# Altium PCB Steezy60SMK.PcbDoc (part 1 of 3)
Units mm, origin at the board's own origin, x right, y up, seen from the top; angles counter-clockwise.
Board outline 284.73 x 94.2 mm, 2 copper layers (Component Side, Bottom Layer), stack 1.571 mm thick; 204 components, 132 nets, 1159 pads, 251 vias.
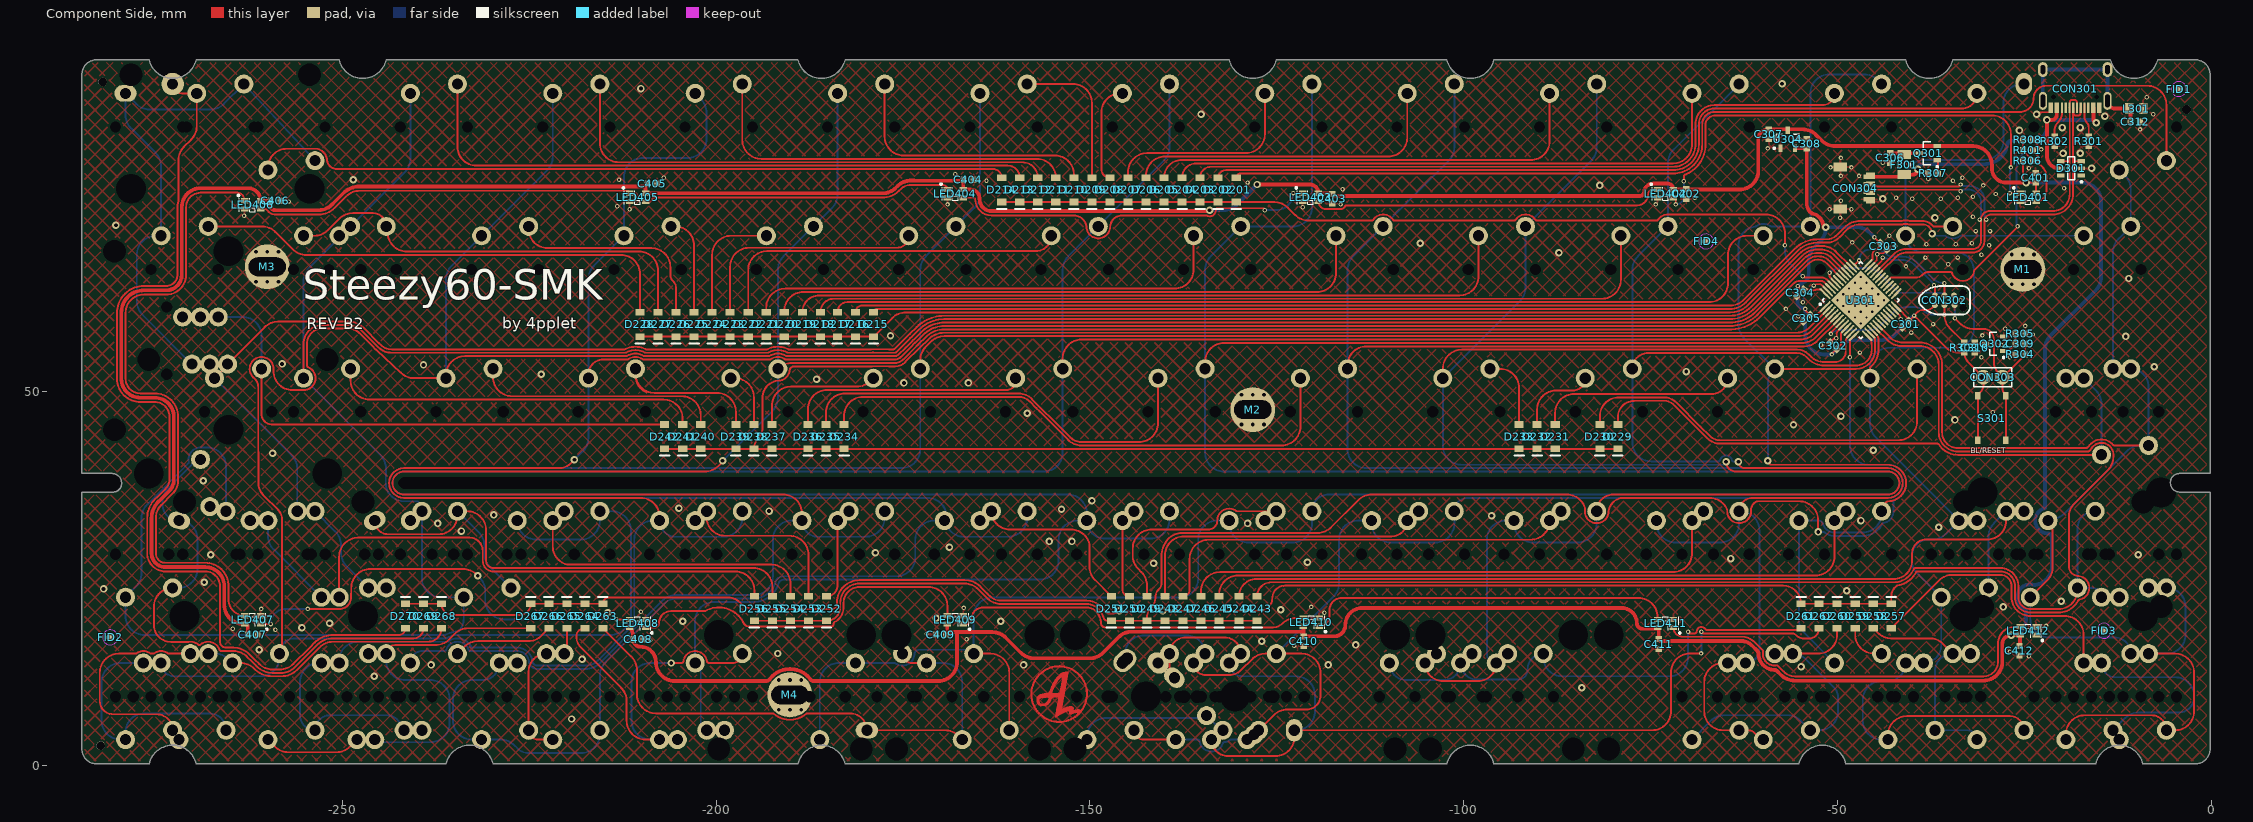
[diagram p0: Component Side view]
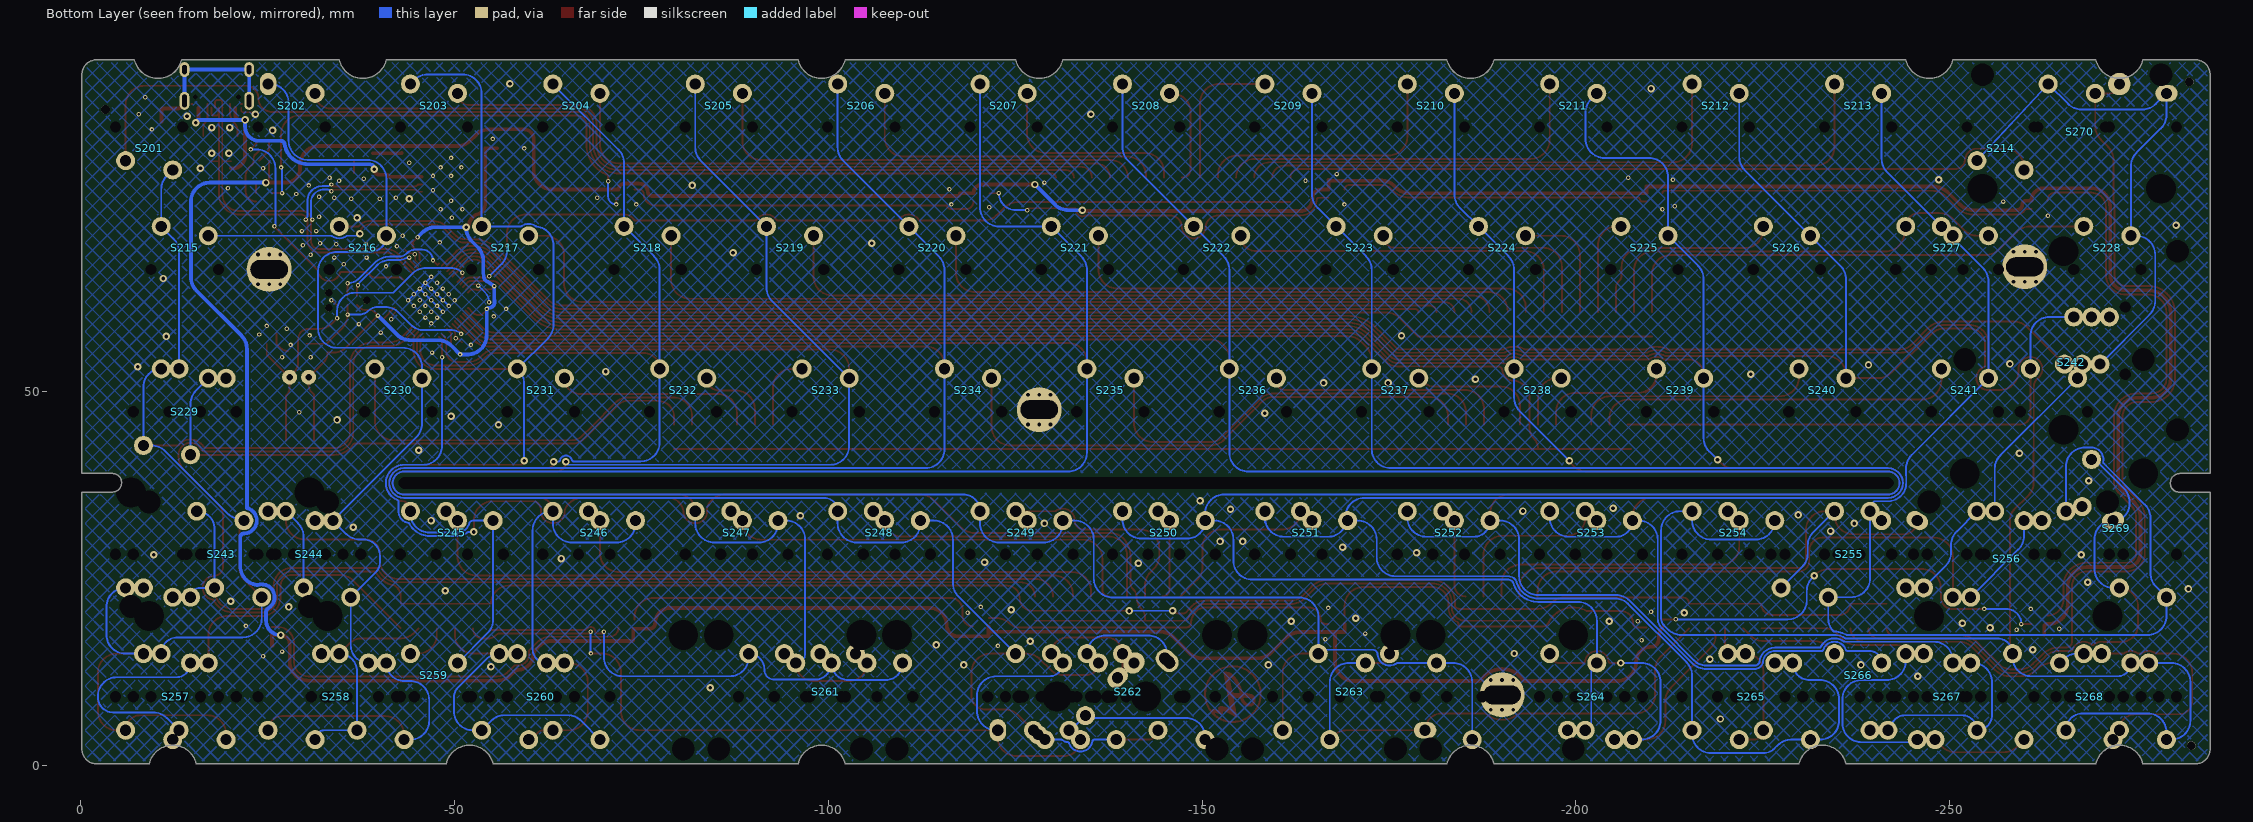
[diagram p1: Bottom Layer view, seen from below]
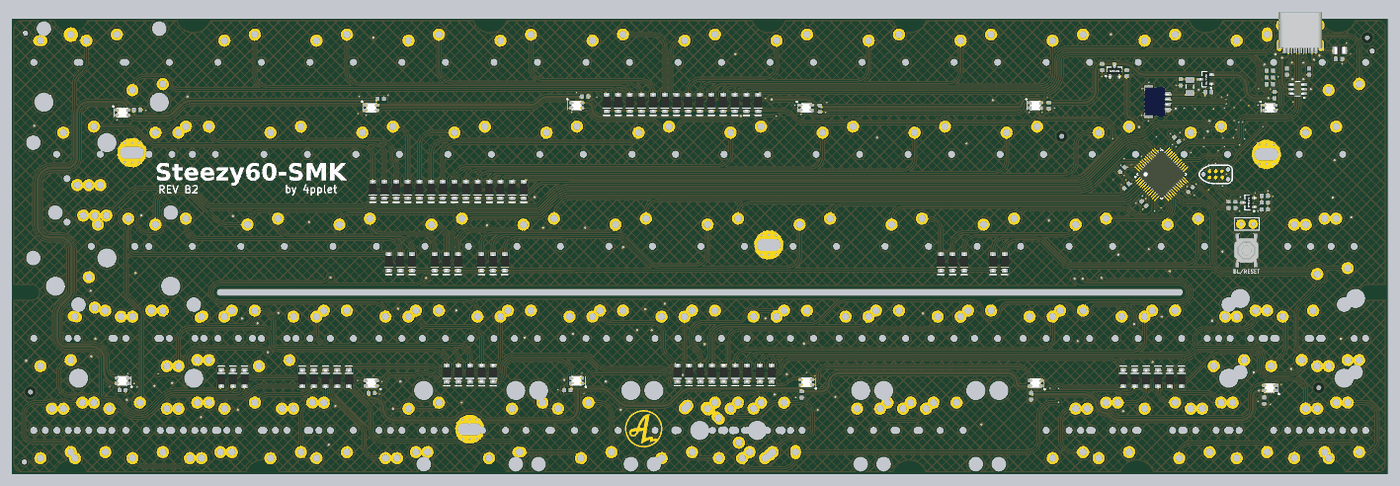
[diagram p4: 3D render of the assembled board from above, using the file's embedded part models]

## Layer stack, top to bottom
Top Solder: solder mask 0.0102, Solder Resist, Dk 3.5
Component Side: signal copper 0.0356
Dielectric 1: core 1.5, FR-4, Dk 4.2
Bottom Layer: signal copper 0.0356
Solder Side: solder mask 0.0102, Solder Resist, Dk 3.5

## Board outline
-284.85,2.215 ccw(c-282.85,2.215) -282.85,0.215 -275.85,0.215 cw(c-272.7,-0.52) -269.55,0.215 -236.137,0.215 cw(c-232.987,-0.52) -229.838,0.215 -189.05,0.215 cw(c-185.9,-0.52) -182.75,0.215 -102.25,0.215 cw(c-99.1,-0.52) -95.95,0.215 -55.161,0.215 cw(c-52.011,-0.52) -48.861,0.215 -15.45,0.215 cw(c-12.3,-0.52) -9.15,0.215 -2.15,0.215 ccw(c-2.15,2.215) -0.15,2.215 ccw(c-0.15,2.238) -0.127,2.238 -0.127,36.576 -4.191,36.576 cw(c-4.191,37.846) -5.461,37.846 cw(c-4.242,37.846) -4.242,39.065 -0.15,39.065 -0.15,92.415 ccw(c-2.15,92.415) -2.15,94.415 -7.177,94.415 cw(c-10.327,95.149) -13.477,94.415 -34.575,94.415 cw(c-37.724,95.149) -40.874,94.415 -95.95,94.415 cw(c-99.1,95.149) -102.25,94.415 -125.061,94.415 cw(c-128.211,95.149) -131.361,94.415 -182.75,94.415 cw(c-185.9,95.149) -189.05,94.415 -244.125,94.415 cw(c-247.274,95.149) -250.424,94.415 -269.55,94.415 cw(c-272.7,95.149) -275.85,94.415 -282.85,94.415 ccw(c-282.85,92.415) -284.85,92.415 -284.85,39.065 -280.797,39.065 cw(c-280.797,37.795) -279.527,37.795 -279.527,37.719 cw(c-280.67,37.719) -280.67,36.576 -284.861,36.576 -284.85,36.565

## Design rules (kind name [scope] priority, off if disabled: settings)
BoardOutlineClearance [All] p1: gap=0.254 ignorepadtopadclearanceinfootprint=FALSE except(0: Arc-SplitContinuation Track-SplitContinuation SMDPad-SplitContinuation THPad-SplitContinuation Via-SplitContinuation Fill-SplitContinuation Poly-SplitContinuation Region-SplitContinuation Text-SplitContinuation)
Clearance [All] p1: gap=0.2 ignorepadtopadclearanceinfootprint=FALSE except(0: Arc-Hole Track-Hole SMDPad-Hole THPad-Hole Via-Hole Fill-Hole Poly-Hole Region-Hole Text-Hole; 0.254: THPad-THPad THPad-Via THPad-Fill THPad-Poly THPad-Region THPad-Text Via-Via Via-Fill Via-Poly Via-Region Via-Text Fill-Fill Fill-Poly Fill-Region Fill-Text Poly-Poly Poly-Region Poly-Text Region-Region Region-Text Text-Text)
ComponentClearance [InComponent('No Component') And OnLayer('Component Side')] p1: gap=0.254 collisioncheckmode=3 verticalgap=0.254 showdistances=FALSE
DiffPairsRouting DiffPairsRouting_USB [InDifferentialPairClass('All Differential Pairs')] p1: maxlimit=0.254 minlimit=0.203 mostfreqgap=0.203 toplayer_minwidth=0.152 toplayer_maxwidth=0.381 toplayer_prefwidth=0.152 bottomlayer_minwidth=0.152 bottomlayer_maxwidth=0.381 bottomlayer_prefwidth=0.152 maxuncoupledlength=12.7
DiffPairsRouting [All] p2: maxlimit=0.254 minlimit=0.254 mostfreqgap=0.254 toplayer_minwidth=0.381 toplayer_maxwidth=0.381 toplayer_prefwidth=0.381 bottomlayer_minwidth=0.381 bottomlayer_maxwidth=0.381 bottomlayer_prefwidth=0.381 maxuncoupledlength=12.7
HoleSize [All] p1: absolutevalues=TRUE maxlimit=20 minlimit=0.025 maxpercent=80.000 minpercent=20.000
MatchedLengths MatchedLengths_USB_DiffPairs_1 [All] p1: tolerance=0.127 checknetsindiffpair=TRUE checkdiffpairvsdiffpair=FALSE checkxsignals=FALSE checkothers=FALSE
MatchedLengths MatchedLengths_USB_DiffPairs [All] p2: tolerance=0.127 checknetsindiffpair=TRUE checkdiffpairvsdiffpair=FALSE checkxsignals=FALSE checkothers=FALSE
PolygonConnect PolygonConnect_1 [All vs IsVia] p1: connectstyle=Direct reliefconductorwidth=0.254 reliefentries=4 polygonreliefangle="90 Angle" airgapwidth=0.254
PolygonConnect [All] p2: connectstyle=Relief reliefconductorwidth=0.254 reliefentries=4 polygonreliefangle="90 Angle" airgapwidth=0.254
RoutingVias [All] p1: holewidth=0.711 width=1.27 viastyle="Through Hole" minholewidth=0.711 minwidth=1.27 maxholewidth=0.711 maxwidth=1.27
SolderMaskExpansion [All] p1: expansion=0.102 istentingtop=FALSE
Width [All] p1: maxlimit=0.5 minlimit=0.203 preferedwidth=0.254 minimp=50.000000 maximp=50.000000 favimp=50.000000
27 further rules are at their usual default settings.

## Classes and differential pairs
component class Designator: C201 C202 C203 C204 C205 C206 D201 D202 D203 D204 D205 D206 D207 D208 D209 D210 D211 D212 D213 D214 D215 D216 D217 D218 D219 D220 D221 D222 D223 D224 D225 D226 D227 D228 D229 D230 D231 D232 D233 D234 D235 D236 D237 D238 D239 D240 D241 D242 D243 D244 D245 D246 D247 D248 D249 D250 D251 D252 D253 D254 D255 D256 D257 D258 D259 D260 D261 D262 D263 D264 D265 D266 D267 D268 D269 D270 S201 S202 S203 S204 S205 S206 S207 S208 S209 S210 S211 S212 S213 S214 S215 S216 S217 S218 S219 S220 S221 S222 S223 S224 S225 S226 S227 S228 S229 S230 S231 S232 S233 S234 S235 S236 S237 S238 S239 S240 S241 S242 S243 S244 S245 S246 S247 S248 S249 S250 S251 S252 S253 S254 S255 S256 S257 S258 S259 S260 S261 S262 S263 S264 S265 S266 S267 S268 S269 S270
differential pair D: +D_P -D_N

## Components (designator, comment, footprint, x,y, rotation, side; value= is the part's Value field where it differs from the comment)
C301 "" C0603[1608] -40.894,59.055 r45 top value=0.1uF
C302 "" C0603[1608] -50.546,56.134 r315 top value=0.1uF
C303 "" C0603[1608] -43.815,69.469 r135 top value=0.1uF
C304 "" C0603[1608] -54.991,63.246 r45 top value=0.1uF
C305 "" C0603[1608] -54.102,59.817 r45 top value=0.1uF
C306 "" C0603[1608] -42.926,81.28 r90 top value=4.7uF
C307 "" C0603[1608] -59.182,84.455 r90 top value=1uF
C308 "" C0603[1608] -54.102,83.185 r270 top value=1uF
C309 "" C0603[1608] -25.531,56.416 r180 top value=4.7uF
C310 "" C0603[1608] -31.627,55.908 r270 top value=470nF
C312 "" C0603[1608] -10.16,86.106 r180 top value=0.1uF
C401 "" C0603[1608] -23.495,78.613 r270 top value=0.1uF
C402 "" C0603[1608] -70.231,76.454 r90 top value=0.1uF
C403 "" C0603[1608] -117.602,75.819 r90 top value=0.1uF
C404 "" C0603[1608] -166.243,78.359 r180 top value=0.1uF
C405 "" C0603[1608] -208.534,77.851 r180 top value=0.1uF
C406 "" C0603[1608] -258.953,75.565 r180 top value=0.1uF
C407 "" C0603[1608] -262.001,17.526 r180 top value=0.1uF
C408 "" C0603[1608] -210.439,16.891 r180 top value=0.1uF
C409 "" C0603[1608] -169.926,17.526 r0 top value=0.1uF
C410 "" C0603[1608] -121.412,16.637 r90 top value=0.1uF
C411 "" C0603[1608] -73.914,16.256 r90 top value=0.1uF
C412 "" C0603[1608] -25.654,15.367 r90 top value=0.1uF
CON301 "TYPE-C-31-M-12" TYPE-C-31-M-12 -18.2,88 r180 top locked
CON302 "TC2030-IDC" TC2030-IDC-NL -35.687,62.23 r0 top
CON303 "Header 2" HDR1X2 -27.94,51.943 r180 top
CON304 "Header 5" UDB_combo_JST_MOLEX -47.75,77.25 r270 top
D201 "Diode" SOD-123 -130.429,77 r90 top
D202 "Diode" SOD-123 -132.842,77 r90 top
D203 "Diode" SOD-123 -135.255,77 r90 top
D204 "Diode" SOD-123 -137.668,77 r90 top
D205 "Diode" SOD-123 -140.081,77 r90 top
D206 "Diode" SOD-123 -142.494,77 r90 top
D207 "Diode" SOD-123 -144.907,77 r90 top
D208 "Diode" SOD-123 -147.32,77 r90 top
D209 "Diode" SOD-123 -149.733,77 r90 top
D210 "Diode" SOD-123 -152.146,77 r90 top
D211 "Diode" SOD-123 -154.559,77 r90 top
D212 "Diode" SOD-123 -156.972,77 r90 top
D213 "Diode" SOD-123 -159.385,77 r90 top
D214 "Diode" SOD-123 -161.798,77 r90 top
D215 "Diode" SOD-123 -178.943,59 r90 top
D216 "Diode" SOD-123 -181.356,59 r90 top
D217 "Diode" SOD-123 -183.769,59 r90 top
D218 "Diode" SOD-123 -186.055,59 r90 top
D219 "Diode" SOD-123 -188.468,59 r90 top
D220 "Diode" SOD-123 -190.881,59 r90 top
D221 "Diode" SOD-123 -193.294,59 r90 top
D222 "Diode" SOD-123 -195.707,59 r90 top
D223 "Diode" SOD-123 -198.12,59 r90 top
D224 "Diode" SOD-123 -200.533,59 r90 top
D225 "Diode" SOD-123 -202.946,59 r90 top
D226 "Diode" SOD-123 -205.359,59 r90 top
D227 "Diode" SOD-123 -207.772,59 r90 top
D228 "Diode" SOD-123 -210.185,59 r90 top
D229 "Diode" SOD-123 -79.375,44 r90 top
D230 "Diode" SOD-123 -81.788,44 r90 top
D231 "Diode" SOD-123 -87.757,44 r90 top
D232 "Diode" SOD-123 -90.17,44 r90 top
D233 "Diode" SOD-123 -92.583,44 r90 top
D234 "Diode" SOD-123 -182.88,44 r90 top
D235 "Diode" SOD-123 -185.293,44 r90 top
D236 "Diode" SOD-123 -187.706,44 r90 top
D237 "Diode" SOD-123 -192.532,44 r90 top
D238 "Diode" SOD-123 -194.945,44 r90 top
D239 "Diode" SOD-123 -197.358,44 r90 top
D240 "Diode" SOD-123 -202.057,44 r90 top
D241 "Diode" SOD-123 -204.47,44 r90 top
D242 "Diode" SOD-123 -206.883,44 r90 top
D243 "Diode" SOD-123 -127.635,21 r90 top
D244 "Diode" SOD-123 -130.048,21 r90 top
D245 "Diode" SOD-123 -132.715,21 r90 top
D246 "Diode" SOD-123 -135.128,21 r90 top
D247 "Diode" SOD-123 -137.541,21 r90 top
D248 "Diode" SOD-123 -139.954,21 r90 top
D249 "Diode" SOD-123 -142.363,21 r90 top
D250 "Diode" SOD-123 -144.718,21 r90 top
D251 "Diode" SOD-123 -147.131,21 r90 top
D252 "Diode" SOD-123 -185.231,21 r90 top
D253 "Diode" SOD-123 -187.644,21 r90 top
D254 "Diode" SOD-123 -190.057,21 r90 top
D255 "Diode" SOD-123 -192.47,21 r90 top
D256 "Diode" SOD-123 -194.883,21 r90 top
D257 "Diode" SOD-123 -42.799,20 r270 top
D258 "Diode" SOD-123 -45.212,20 r270 top
D259 "Diode" SOD-123 -47.625,20 r270 top
D260 "Diode" SOD-123 -50.038,20 r270 top
D261 "Diode" SOD-123 -54.864,20 r270 top
D262 "Diode" SOD-123 -52.451,20 r270 top
D263 "Diode" SOD-123 -215.138,20 r270 top
D264 "Diode" SOD-123 -217.551,20 r270 top
D265 "Diode" SOD-123 -219.964,20 r270 top
D266 "Diode" SOD-123 -222.377,20 r270 top
D267 "Diode" SOD-123 -224.79,20 r270 top
D268 "Diode" SOD-123 -236.728,20 r270 top
D269 "Diode" SOD-123 -239.141,20 r270 top
D270 "Diode" SOD-123 -241.554,20 r270 top
D301 "SRV05" SOT-23-6 -18.73,79.883 r0 top
F301 "Fuse Thermal" C1206[3216] -41.052,80.391 r270 top
FID1 "Plug" FIDUCIAL_NORDIC -4.318,90.495 r270 top
FID2 "Plug" FIDUCIAL_NORDIC -281.051,17.145 r270 top
FID3 "Plug" FIDUCIAL_NORDIC -14.351,18.034 r270 top
FID4 "Plug" Fiducial_Nordic -67.564,70.104 r90 top
L301 "Inductor" L0805 -10.033,87.884 r180 top
LED401 "WS2812B" "WS2812B - 2020" -24.5,76 r0 top locked
LED402 "WS2812B" "WS2812B - 2020" -73,76.5 r0 top locked
LED403 "WS2812B" "WS2812B - 2020" -120.486,76 r0 top locked
LED404 "WS2812B" "WS2812B - 2020" -168,76.5 r0 top locked
LED405 "WS2812B" "WS2812B - 2020" -210.5,76 r0 top locked
LED406 "WS2812B" "WS2812B - 2020" -262,75 r0 top locked
LED407 "WS2812B" "WS2812B - 2020" -262,19.5 r180 top locked
LED408 "WS2812B" "WS2812B - 2020" -210.5,19 r180 top locked
LED409 "WS2812B" "WS2812B - 2020" -168,19.5 r180 top locked
LED410 "WS2812B" "WS2812B - 2020" -120.396,19.177 r180 top locked
LED411 "WS2812B" "WS2812B - 2020" -73,19 r180 top locked
LED412 "WS2812B" "WS2812B - 2020" -24.5,18 r180 top locked
M1 "Socket" mounting_hole -25.2,66.365 r0 top
M2 "Socket" mounting_hole -128.212,47.614 r0 top
M3 "Socket" mounting_hole -260.05,66.715 r0 top
M4 "Socket" mounting_hole -190.119,9.45 r0 top
Q301 "PMOS-2" SOT-23-3 -37.846,81.915 r0 top
Q302 "2N7002 NMOS" SOT-23-3 -28.96,56.416 r0 top
R301 "Res1" R0603[1608] -16.383,83.5 r270 top value=5k1
R302 "Res1" R0603[1608] -20.955,83.5 r270 top value=5k1
R303 "Res1" R0603[1608] -33.024,55.908 r90 top value=10K
R304 "Res1" R0603[1608] -25.527,54.991 r180 top value=10K
R305 "Res1" R0603[1608] -25.527,57.785 r0 top value=100K
R306 "Res1" R0603[1608] -24.511,80.899 r0 top value=10K
R307 "Res1" R0603[1608] -37.211,79.248 r180 top value=10K
R308 "Res1" R0603[1608] -24.511,83.693 r0 top value=470
R401 "Res1" R0603[1608] -24.511,82.296 r0 top value=470R
S201 "MX" "SMK-switch - switched polarity"#1 -9.15,85.415 r0 bottom locked
S202 "MX" "SMK-switch - switched polarity"#2 -28.2,85.415 r180 bottom locked
S203 "MX" "SMK-switch - switched polarity"#3 -47.25,85.415 r180 bottom locked
S204 "MX" "SMK-switch - switched polarity"#3 -66.3,85.415 r180 bottom locked
S205 "MX" "SMK-switch - switched polarity"#3 -85.35,85.415 r180 bottom locked
S206 "MX" "SMK-switch - switched polarity"#3 -104.4,85.415 r180 bottom locked
S207 "MX" "SMK-switch - switched polarity"#3 -123.45,85.415 r180 bottom locked
S208 "MX" "SMK-switch - switched polarity"#3 -142.5,85.415 r180 bottom locked
S209 "MX" SMK-SWITCH -161.55,85.415 r180 bottom locked
S210 "MX" SMK-SWITCH -180.6,85.415 r180 bottom locked
S211 "MX" SMK-SWITCH -199.65,85.415 r180 bottom locked
S212 "MX" SMK-SWITCH -218.7,85.415 r180 bottom locked
S213 "MX" SMK-SWITCH -237.75,85.415 r180 bottom locked
S214 "MX" SMK-SWITCH -256.8,85.415 r0 bottom
S215 "MX" "SMK-SWITCH - 1.5U" -13.912,66.365 r180 bottom locked
S216 "MX" SMK-SWITCH -37.725,66.365 r180 bottom locked
S217 "MX" "SMK-switch - switched polarity"#3 -56.775,66.365 r180 bottom locked
S218 "MX" "SMK-switch - switched polarity"#3 -75.825,66.365 r180 bottom locked
S219 "MX" "SMK-switch - switched polarity"#3 -94.875,66.365 r180 bottom locked
S220 "MX" "SMK-switch - switched polarity"#3 -113.925,66.365 r180 bottom locked
S221 "MX" "SMK-switch - switched polarity"#3 -132.975,66.365 r180 bottom locked
S222 "MX" "SMK-switch - switched polarity"#3 -152.025,66.365 r180 bottom locked
S223 "MX" "SMK-switch - switched polarity"#3 -171.075,66.365 r180 bottom locked
S224 "MX" "SMK-switch - switched polarity"#3 -190.125,66.365 r180 bottom locked
S225 "MX" SMK-SWITCH -209.175,66.365 r180 bottom locked
S226 "MX" SMK-SWITCH -228.225,66.365 r180 bottom locked
S227 "MX" "SMK-SWITCH - OFFSET-R" -247.275,66.365 r180 bottom locked
S228 "MX" "SMK-SWITCH - 1.5U" -271.087,66.365 r180 bottom locked
S229 "MX" "SMK-SWITCH - CAPS - V2" -16.294,47.315 r180 bottom locked
S230 "MX" SMK-SWITCH -42.487,47.315 r180 bottom locked
S231 "MX" "SMK-switch - switched polarity"#3 -61.537,47.315 r180 bottom locked
S232 "MX" "SMK-switch - switched polarity"#3 -80.587,47.315 r180 bottom locked
S233 "MX" SMK-SWITCH -99.637,47.315 r180 bottom locked
S234 "MX" "SMK-switch - switched polarity"#3 -118.687,47.315 r180 bottom locked
S235 "MX" "SMK-switch - switched polarity"#3 -137.737,47.315 r180 bottom locked
S236 "MX" "SMK-switch - switched polarity"#3 -156.787,47.315 r180 bottom locked
S237 "MX" "SMK-switch - switched polarity"#3 -175.837,47.315 r180 bottom locked
S238 "MX" "SMK-switch - switched polarity"#3 -194.887,47.315 r180 bottom locked
S239 "MX" SMK-SWITCH -213.937,47.315 r180 bottom locked
S240 "MX" SMK-SWITCH -232.987,47.315 r180 bottom locked
S241 "MX" SMK-SWITCH -252.037,47.315 r180 bottom locked
S242 "MX" "SMK-switch - Enter - rotated stab" -263.95,47.315 r180 bottom
S243 "MX" "SMK-SWITCH - LEFT SHIFT" -21.056,28.265 r180 bottom locked
S244 "MX" "SMK-SWITCH - SMALLEROFFSET-R" -32.962,28.265 r0 bottom
S245 "MX" "SMK-SWITCH - OFFSET" -52.012,28.265 r180 bottom locked
S246 "MX" "SMK-SWITCH - OFFSET" -71.062,28.265 r180 bottom locked
S247 "MX" "SMK-SWITCH - OFFSET" -90.112,28.265 r180 bottom locked
S248 "MX" "SMK-SWITCH - OFFSET" -109.162,28.265 r180 bottom locked
S249 "MX" "SMK-SWITCH - OFFSET" -128.212,28.265 r180 bottom locked
S250 "MX" "SMK-SWITCH - OFFSET" -147.262,28.265 r180 bottom locked
S251 "MX" "SMK-SWITCH - OFFSET" -166.312,28.265 r180 bottom locked
S252 "MX" "SMK-SWITCH - OFFSET" -185.362,28.265 r180 bottom locked
S253 "MX" "SMK-SWITCH - OFFSET" -204.412,28.265 r180 bottom locked
S254 "MX" "SMK-SWITCH - OFFSET" -223.462,28.265 r180 bottom locked
S255 "MX" "SMK-SWITCH - CRAZY SHIFT" -237.75,28.265 r180 bottom locked
S256 "MX" "SMK-SWITCH - RIGHT SHIFT" -259.18,28.265 r180 bottom locked
S257 "MX" "SMK-SWITCH - L_CTRL" -13.912,9.215 r180 bottom locked
S258 "MX" "SMK-SWITCH - L_WIN" -37.724,9.215 r180 bottom
S259 "MX" SMK-SWITCH -47.25,9.215 r180 bottom
S260 "MX" "SMK-SWITCH - L_ALT" -61.537,9.215 r180 bottom
S261 "MX" "SMK-SWITCH - L SPLIT SPACE" -102.018,9.215 r0 bottom locked
S262 "MX" "SMK-SWITCH - SPACE" -142.499,9.215 r180 bottom locked
S263 "MX" "SMK-SWITCH - R SPLIT SPACE" -163.931,9.215 r0 bottom locked
S264 "MX" "SMK-SWITCH - R PN" -202.031,9.215 r180 bottom
S265 "MX" "SMK-SWITCH - R_ALT" -223.462,9.215 r180 bottom locked
S266 "MX" SMK-SWITCH -237.75,9.215 r180 bottom locked
S267 "MX" "SMK-SWITCH - R_WIN" -247.274,9.215 r180 bottom locked
S268 "MX" "SMK-SWITCH - R_CTRL" -271.087,9.215 r180 bottom
S269 "MX" "SMK-SWITCH - FN AND SHIFT" -275.85,28.265 r0 bottom locked
S270 "MX" "SMK-SWITCH - BACKSPACE" -266.325,85.415 r180 bottom
S301 "SW-PB" "XKB Switch" -29.337,46.482 r90 top
U301 "STM32F072/F303_LQFP48" "STM32 - COMBO 7X7MM" -46.89,62.251 r315 top
U304 "XC6206P332MR" SOT-23-3 -56.642,83.763 r270 top

## Footprints (in the part's own frame and the unit in brackets; to place one, negate y for a bottom-side part, rotate by r counter-clockwise, add the part's x,y. Pads: shape width x height; smd on the part's side, far side on the other; paste and mask are expansions set on the pad)
C0603[1608] [mm] "Chip Resistor, 2-Leads, Body 1,57x0,80mm, IPC Medium Density"
  rect 0.8x0.85 smd: 1(-0.65,0) 2(0.65,0)
  body extent -0.83,-0.43 0.82,0.43, height 0.5
C1206[3216] [mm]
  rect 1.2x1.8 smd: 1(-1.35,0) 2(1.35,0)
  silkscreen extent -0.35,-0.8 0.35,0.8, body extent -1.6,-0.9 1.6,0.9, height 1.2